# Altium PCB PCB_v5.PcbDoc (part 7 of 7) (continued)
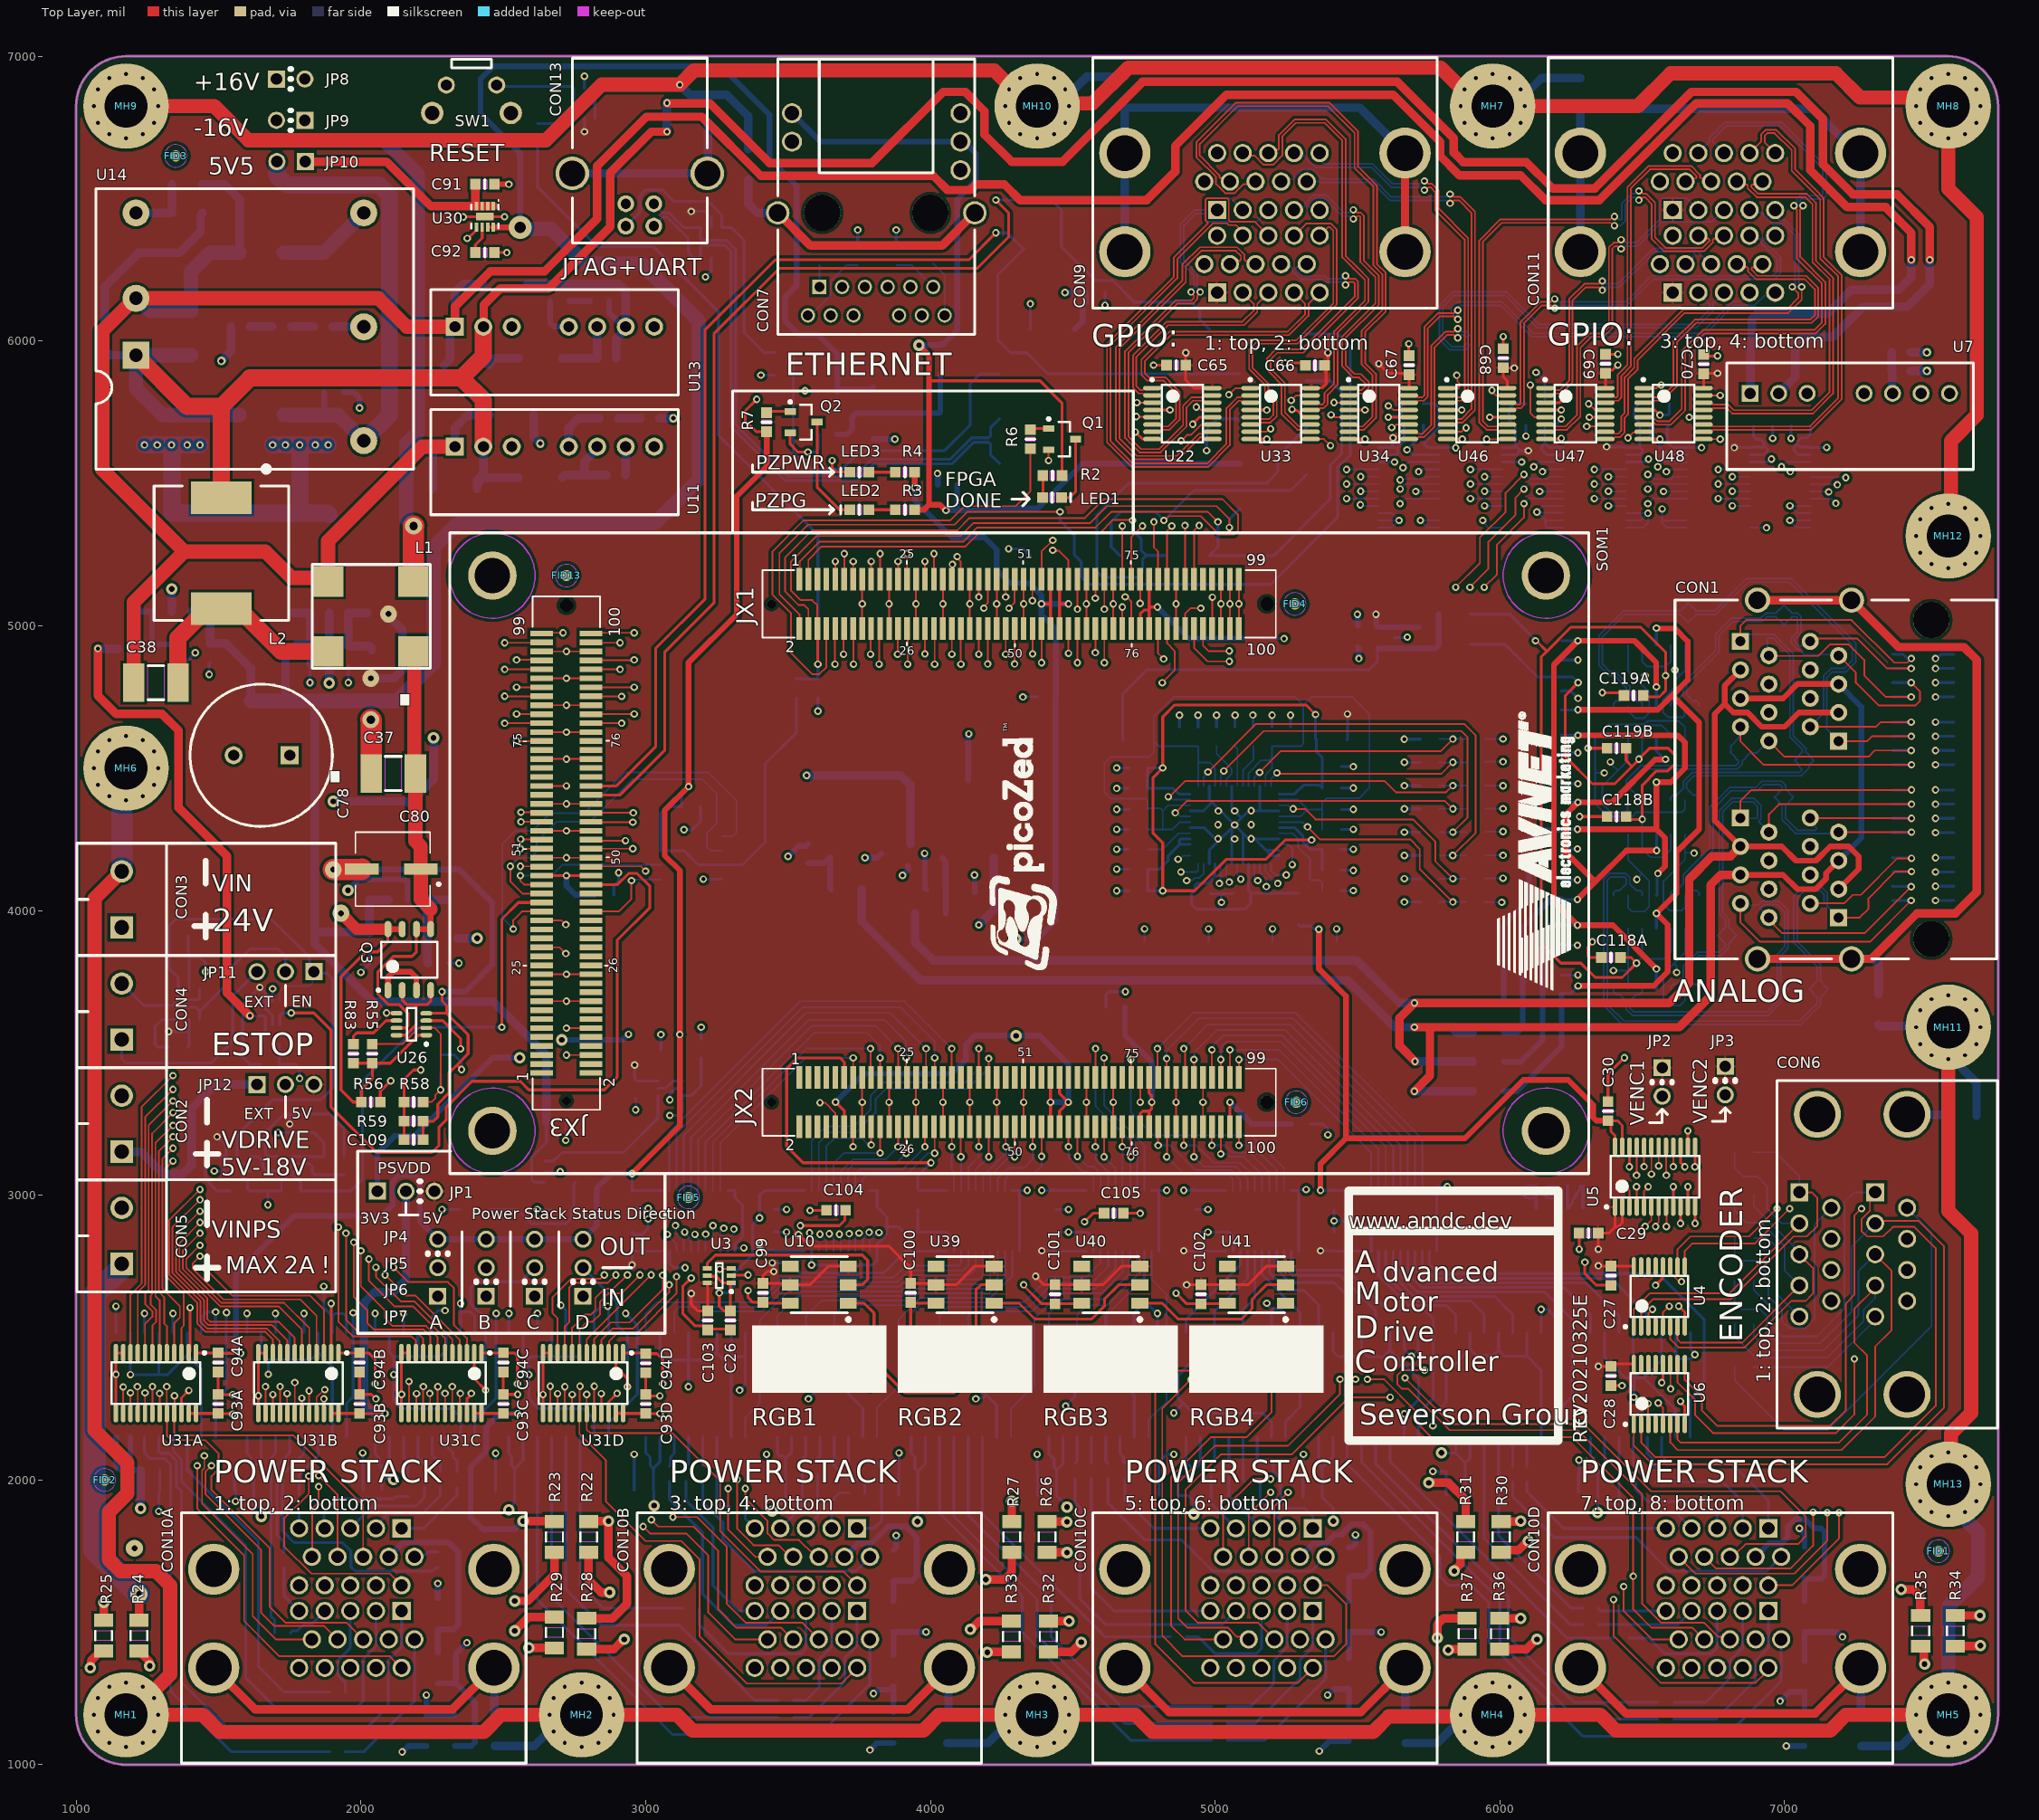
[diagram p0: Top Layer view]
## Nets (pads, with @x,y where several pads share a name; then routed paths per layer and width w, separated by ;. In a path a pad name is that pad's centre, name@x,y a point inside that pad or via, vN(x,y) a via of type N, cw(c..) or ccw(c..) an arc to the next point about the centre after c; other vN are vias at no path point) (continued)
VBUS_DETECT: M1.18 R98.2 R99.2 | length 1321.9
  Bottom Layer w10: R98.2@3518.46,5960 R99.2@3518.46,5880 3518.46,5611.54 3580,5550 3690,5550 3755,5615 4050,5615 4140,5705 4140,5850 4174.29,5884.29 M1.18@4242.99,5884.29
VCCIO_EN: U12.4 U16.3 | length 538.9
  Bottom Layer w10: U16.3@2645.87,3120.24 2676.38,3120.24 2706.14,3150 2922.51,3150 3043.52,3271.01 U12.4@3043.52,3349.82
VCCO: C83.2 C87.2 C89.2 C90.2 R65.2 SOM1.JX1-78 SOM1.JX1-79 SOM1.JX1-80 SOM1.JX2-78 SOM1.JX2-79 SOM1.JX2-80 SOM1.JX2-98 SOM1.JX3-45 SOM1.JX3-46 | length 8524.8
  Top Layer w10: SOM1.JX3-45@2635.12,4122.37 v1(2721.73,4122.37) SOM1.JX3-46@2808.35,4122.37 ; SOM1.JX2-78@4736.93,3240 4736.93,3286.69 4745.36,3295.12 4768.42,3295.12 ; SOM1.JX1-78@4736.93,4990 4736.93,5041.93 4750,5055 4768.42,5055 ; SOM1.JX2-80@4768.42,3240 4768.42,3295.12 ; SOM1.JX1-80@4768.42,4990 4768.42,5055 ; SOM1.JX1-79@4768.43,5163.23 4768.42,5065.81 ; SOM1.JX2-79@4768.43,3413.23 4768.43,3358.11 4777.46,3349.07 v1(4777.46,3326.62) 4777.46,3304.16 4768.42,3295.12 ; v1(4797.45,5065.81) 4768.42,5065.81 ; SOM1.JX2-98@5051.89,3240 v1(5051.89,3326.62) ; 4768.42,5055 4768.42,5065.81
  Int4 (PWR) w20: v1(2285,2950) 2341.16,2950 ; v1(2721.73,4122.37) 2659.36,4060 2419,4060 2199.61,3840.61 2199.61,3550.95 2341.16,3409.4 2341.16,2950 ; v1(4797.45,5065.81) 4660,4928.35 4660,4847.86 4550,4737.86 4550,3700 4777.46,3472.54 v1(4777.46,3326.62) 4777.46,3236.91 4778.42,3235.95 ; v1(5051.89,3326.62) 4961.22,3235.95 4778.42,3235.95 ; 2341.16,2950 2397.32,2950 2683.27,3235.95 4778.42,3235.95
  Bottom Layer w10: v1(2285,2950) 2345.24,2950 R65.2@2345.87,2949.37
  Bottom Layer w20: v1(2721.73,4122.37) 2721.73,4086.26 2752.99,4055 C83.2@2821.54,4055 ; C87.2@4682.98,3660 4682.98,3562.63 4777.46,3468.15 v1(4777.46,3326.62) ; v1(4797.45,5065.81) 4908.26,4955 C89.2@5096.54,4955 ; v1(5051.89,3326.62) 5128.51,3250 C90.2@5266.2,3250
VDDPS: C93A.1 C93B.1 C93C.1 C93D.1 JP1.2 R23.2 R25.2 R27.2 R29.2 R31.2 R33.2 R35.2 R37.2 U31A.23 U31A.24 U31B.23 U31B.24 U31C.23 U31C.24 U31D.23 U31D.24 | length 13960.3
  Top Layer w10: U31A.23@1395.45,2233.7 U31A.24@1421.04,2233.7 C93A.1@1498.77,2233.7 1499.33,2233.14 1547.32,2233.14 v1(1550,2230.46) ; U31B.23@1895.45,2233.7 U31B.24@1921.04,2233.7 C93B.1@1995.3,2233.7 ; C93B.1@1995.86,2233.14 v1(2085,2233.14) ; U31C.23@2397.84,2233.7 U31C.24@2423.43,2233.7 C93C.1@2500.3,2233.7 2500.86,2233.14 v1(2550.63,2233.14) ; U31D.23@2895.45,2233.7 U31D.24@2921.04,2233.7 C93D.1@3000.3,2233.7 3000.86,2233.14 v1(3050.46,2233.14)
  Top Layer w20: C93B.1@1995.3,2233.7 C93B.1@1995.86,2233.14
  Top Layer w30: R25.2@1096.93,1507.49 v2(1096.93,1570) ; v2(2540,1470) 2588.27,1518.27 R29.2@2680,1518.27 ; v2(2569.64,1855.46) 2570.3,1854.8 2679.34,1854.8 R23.2@2680,1854.13 ; v2(4140,1475) 4142.71,1475 4171.84,1504.13 R33.2@4284.06,1504.13 ; R27.2@4285.94,1854.13 v2(4285.94,1925) ; v2(5750,1990) 5820,1990 5880,1930 R31.2@5880,1854.13 ; v2(5780,1445) 5780,1492 5802.13,1514.13 R37.2@5885.14,1514.13 ; v2(7410,1615) 7455,1615 7476.57,1593.43 7476.57,1533.54 7467.17,1524.13 R35.2@7478,1524.13
  Int2 (Sign) w20: v2(1096.93,1570) 1336.93,1810 1560.25,1810 1590.25,1780 2319,1780 2394.46,1855.46 v2(2569.64,1855.46) 2747.09,1678 2918.41,1678 2960,1636.41 2960,1575 ; v2(2540,1470) 2855,1470 2960,1575 ; v2(4140,1475) 4332.5,1475 4550,1692.5 4550,1755 ; v2(5780,1445) 5865,1445 6160,1740 6160,1880 ; v2(7410,1615) 7410,1760 7194,1976 6256,1976 6160,1880 ; 2960,1575 3155,1575 3230,1650 3230,1768 3442,1980 4230.94,1980 v2(4285.94,1925) 4410.94,1800 4505,1800 4550,1755 ; 4550,1755 4711,1916 5566,1916 5640,1990 v2(5750,1990) 6050,1990 6160,1880
  Int4 (PWR) w30: v1(1550,2230.46) 1613.06,2167.4 2019.26,2167.4 v1(2085,2233.14) v1(2550.63,2233.14) v1(3050.46,2233.14)
  Bottom Layer w20: v1(2550.63,2233.14) 2488.4,2233.14 2439.92,2184.66 2439.92,2099.92 2385,2045 2385,1870.46 2428.86,1826.6 2540.78,1826.6 v2(2569.64,1855.46)
  Bottom Layer w30: v1(2085,2233.14) 2045.01,2233.14 2011,2267.15 2011,2621.86 2049.14,2660 2114.38,2660 2158.11,2703.73 JP1.2@2158.11,3014.21
VDRIVE: C72A.1 C72B.1 C72C.1 C72D.1 C72E.1 C72F.1 C73A.1 C73B.1 C73C.1 C73D.1 C73E.1 C73F.1 C75A.1 C75B.1 C75C.1 C75D.1 C75E.1 C75F.1 C76A.1 C76B.1 C76C.1 C76D.1 C76E.1 C76F.1 JP12.2 R93A.2 R93B.2 R93C.2 R93D.2 R94A.2 R94B.2 R94C.2 R94D.2 U23A.15 U23A.16 U23B.15 U23B.16 U23C.15 U23C.16 U23D.15 U23D.16 U23E.15 U23E.16 U23F.15 U23F.16 U25A.15 U25A.16 U25B.15 U25B.16 U25C.15 U25C.16 U25D.15 U25D.16 U25E.15 U25E.16 U25F.15 U25F.16 | length 16712.5
  Int4 (PWR) w20: v2(1226.54,1900) 1316.54,1810 1588,1810 v2(1650,1872) 1703,1925 2038.25,1925 v2(2115,2001.75) 2221.75,1895 2330.24,1895 ; v1(2372.25,1428.5) 2372.25,1551.96 2330.24,1593.96 2330.24,1895 ; v1(3984.69,1465.88) 3925,1525.57 3925,1824.13 v2(3955,1854.13) ; v1(5583,1465.56) 5583,1553.73 5493.28,1643.45 5493.28,1730 5418.28,1805 5418.28,1851.72 v2(5415,1855) 5411.17,1858.83 5411.17,1878.83 5375,1915 ; v1(7203.36,1448.98) 7104.27,1548.08 7104.27,1830 6958.27,1976 6434.46,1976 v2(6343.46,1885) 6133.46,2095 v2(5795,2095) 5555,2095 5375,1915 ; 2330.24,1895 v2(2520,1895) 2765,1895 2780,1910 v2(3030,1910) 3425,1910 v2(3445,1890) 3505,1950 3859.13,1950 v2(3955,1854.13) ; v2(3955,1854.13) 4324.45,1854.13 4375,1904.69 v2(4480,1904.69) 4894.9,1904.69 4919.59,1880 v2(4925,1880) 4925.71,1880 4960.71,1915 5375,1915
  Int3 (Sign) w20: v2(1226.54,1900) 1050,2076.54 1050,3365 1165,3480 1690,3480 1735,3435 JP12.2@1735,3388.8
  Bottom Layer w10: U25F.16@1600,2150 1600,2092.86 1615,2077.86 1615,2053.46 C75F.1@1623.46,2045 ; v2(1650,1872) 1623.46,1898.54 C76F.1@1623.46,1965 C75F.1@1623.46,2045 ; U25F.15@1650,2150 1650,2071.54 C75F.1@1623.46,2045 ; U23E.16@2050,2150 2050,2091.81 2064.36,2077.45 2064.36,2054.11 C72E.1@2073.46,2045 ; C73E.1@2073.46,1965 2073.46,2005 ; U23E.15@2100,2150 2100,2071.54 C72E.1@2073.46,2045 ; v2(2115,2001.75) 2111.75,2005 2073.46,2005 ; U25E.16@2519.64,2150 2519.64,2092.86 2529.31,2083.18 2529.31,2050.56 C75E.1@2539.87,2040 ; v2(2520,1895) 2520,1900.41 2539.87,1920.29 C76E.1@2539.87,1960 C75E.1@2539.87,2040 ; U25E.15@2569.64,2150 2569.64,2069.76 C75E.1@2539.87,2040 ; U23D.16@3000.46,2150 3000.46,2094.99 3016.59,2078.85 3016.59,2050.33 C72D.1@3026.92,2040 ; v2(3030,1910) 3028.46,1911.54 3028.46,1963.46 C73D.1@3026.92,1965 C72D.1@3026.92,2040 ; U23D.15@3050.46,2150 3050.46,2063.54 C72D.1@3026.92,2040 ; v2(3445,1890) 3491.65,1936.65 C76D.1@3491.65,1987.86 C75D.1@3491.65,2045 3491.65,2075.76 ; U25D.16@3464.56,2147.74 U25D.16@3462.31,2150 3462.31,2092.96 3470.66,2084.61 3482.8,2084.61 3491.65,2075.76 ; U25D.15@3512.31,2150 3512.31,2096.42 3491.65,2075.76 ; U23C.16@3932.59,2150 3932.59,2093.61 3945.27,2080.92 3945.27,2040.78 C72C.1@3956.06,2030 ; v2(3955,1854.13) 3955.53,1854.66 3955.53,1944.47 C73C.1@3956.06,1945 C72C.1@3956.06,2030 ; U23C.15@3982.59,2150 3982.59,2056.54 C72C.1@3956.06,2030 ; U25C.16@4415.82,2150 4415.82,2091.67 4434.39,2073.09 4434.39,2044.07 C75C.1@4443.46,2035 ; U25C.15@4465.82,2150 4465.82,2057.35 C75C.1@4443.46,2035 ; v2(4480,1904.69) 4480,1908.46 C76C.1@4443.46,1945 C75C.1@4443.46,2035 ; U23B.16@4897.87,2150 4897.87,2061.73 4925.46,2034.13 ; v2@4923.17,1881.83 v2(4925,1880) 4925,1924.68 4904.65,1945.02 C73B.1@4869.17,1945.02 C72B.1@4869.17,2011.73 4903.06,2011.73 4925.46,2034.13 ; U23B.15@4947.87,2150 4947.87,2056.54 4925.46,2034.13 ; U25B.16@5364.05,2150 5364.05,2054.7 5375.86,2042.89 ; U25B.15@5414.05,2150 5414.05,2081.08 5375.86,2042.89 ; v2(5415,1855) 5415,1900.66 C76B.1@5375.66,1940 C75B.1@5375.66,2001.3 5375.86,2001.5 5375.86,2042.89 ; v2(5795,2095) 5795.81,2094.19 5845,2094.19 ; U23A.16@5845,2150 5845,2094.19 ; C73A.1@5878.46,1945 C72A.1@5878.46,2030 5878.46,2060.16 ; U23A.15@5895,2150 5895,2076.69 5878.46,2060.16 ; U25A.16@6318.18,2150 6318.18,2086.82 6329.99,2075.01 6329.99,2033.47 C75A.1@6343.46,2020 ; v2(6343.46,1885) 6343.46,1958.53 C76A.1@6343.29,1958.7 6343.46,1958.87 C75A.1@6343.46,2020 ; U25A.15@6368.18,2150 6368.18,2044.72 C75A.1@6343.46,2020 ; 2073.46,2005 C72E.1@2073.46,2045 ; 5845,2094.19 5878.46,2060.73 5878.46,2060.16
  Bottom Layer w20: U23F.16@1140,2150 1140,2052.16 1157.16,2035 1190,2035 ; U23F.15@1190,2150 1190,2035 ; C72F.1@1226.54,2035 1190,2035 ; R93A.2@2270,1285.87 2333.54,1285.87 ; R94A.2@2330,1065.87 2388.19,1065.87 2400,1077.68 2400,1219.41 2333.54,1285.87 ; v1(2372.25,1428.5) 2333.54,1389.8 2333.54,1285.87 ; R94B.2@3870,1384.13 R93B.2@3870,1465.87 v1(3984.69,1465.88) ; R94C.2@5470,1374.13 R93C.2@5470,1465.87 5470.15,1465.71 5582.85,1465.71 v1(5583,1465.56) ; R94D.2@7070,1364.13 R93D.2@7070,1465.87 7184.85,1465.87 7201.74,1448.98 v1(7203.36,1448.98)
  Bottom Layer w30: v2(1226.54,1900) C73F.1@1226.54,1955 C72F.1@1226.54,2035
VENCODER1: CON6.7T JP2.2 | length 987.7
  Int4 (PWR) w30: JP2.2@6569.98,3347.63 6672.37,3347.63 6935,3085 7150,3085 7230,3005 7230,2915.98 7163.86,2849.84 CON6.7T@7163.86,2846.65
VENCODER2: CON6.7B JP3.2 | length 1155.2
  Int4 (PWR) w30: JP3.2@6791.76,3352.63 6999.39,3145 7415,3145 7550,3010 7550,2895 7501.65,2846.65 CON6.7B@7430,2846.65
VIN: C78.1 CON3.1 Q3.7 Q3.8 R55.1 R56.1 R83.1 U26.1 | length 2827.9
  Top Layer w10: R83.1@1969.69,3460 R83.1@1973.46,3463.78 R55.1@2040,3463.78 ; Q3.8@2095,3934.53 2094.92,3934.45 2094.92,3890.98 2058.7,3854.77 2017.47,3854.77 1930,3767.29 1930,3370 1972.76,3327.24 R56.1@2001.54,3327.24 2001.54,3371.54 2040,3410 R55.1@2040,3463.78 ; U26.1@2229.72,3562.01 2201.3,3562.01 2103.07,3463.78 R55.1@2040,3463.78
  Top Layer w20: Q3.8@2095,3934.53 Q3.7@2145,3934.53
  Top Layer w40: v3(1930,3990) 1985.47,3934.53 Q3.8@2095,3934.53
  Int4 (PWR) w50: 1750,3940.57 C78.1@1750,4545
  Int4 (PWR) w80: CON3.1@1160,3940.57 1744,3940.57 ; 1750,3940.57 1880.58,3940.57 v3(1930,3990)
VIN2: C35.1 C40.2 C41.1 C46.2 C47.1 C49.2 C95.2 L2.1 R46.2 U7.2 U11.2 U13.2 U14.1 | length 11824.7
  Top Layer w30: U13.2@2430,6050 2431.5,6051.5 2431.5,6126.5 2490,6185 2660,6185 2875,6400 2875,6590 3020,6735 v1(3075,6735) ; v1(3075.16,6836.26) 3076.42,6835 3225,6835 3435,6625 3795,6625 4045,6875 4122.43,6875 4190,6807.43 4190,6725 4285,6630 4465,6630 4745,6910 5640,6910 5838.38,6711.62 5838.38,6661.49 5871.87,6628 6093,6628 6185.62,6535.38 6333.37,6535.38 6672.99,6875 7040,6875 7135,6780 7135,6620 7240,6515 7395,6515 7510,6400 v1(7510,6285)
  Top Layer w60: U14.1@1210,5950 1390,5770 1510,5770 ; L2.1@1510,5449.88 1510,5770 ; U11.2@2430,5629.04 2430,5792.81 2352.8,5870 ; U13.2@2430,6050 2430,5947.19 2352.8,5870 ; 1510,5770 1610,5870 2352.8,5870
  Bottom Layer w30: U14.1@1210,5950 1118.52,5950 1100.94,5967.57 1100.94,6190.94 1220,6310 1363.39,6310 1436.5,6383.11 1436.5,6442.36 R46.2@1444.13,6450 ; C40.2@2407.48,5480 C40.2@2407.48,5497.5 ; U11.2@2430,5629.04 2430,5532.52 2407.48,5510 C40.2@2407.48,5497.5 ; U13.2@2430,6050 2436.31,6043.69 2436.31,5926.17 C46.2@2447.48,5915 2447.48,5917.5 2469.98,5940 C41.1@2552.52,5940 ; C35.1@2552.52,5520 2429.98,5520 C40.2@2407.48,5497.5 ; v1(3075,6735) 3074.84,6735.16 3074.84,6835.94 v1(3075.16,6836.26) ; U7.2@6979.29,5816.26 7037.48,5874.45 C95.2@7037.48,5980 7037.48,5992.5 7059.98,6015 7170,6015 7275,6120 7430,6120 7510,6200 v1(7510,6285)
  Bottom Layer w50: C49.2@1403.39,5950 U14.1@1210,5950 1210,5833.41 1303.41,5740 C47.1@1573.91,5740
VIN_HDR: C104.2 C105.2 C106.2 R4.1 R64.1 SOM1.JX1-57 SOM1.JX1-58 SOM1.JX1-59 SOM1.JX1-60 SOM1.JX2-12 SOM1.JX2-57 SOM1.JX2-58 SOM1.JX2-59 SOM1.JX2-60 | length 7540.7
  Top Layer w10: v1(3577.17,2946.48) 3634.18,2946.48 C104.2@3635.23,2947.53 ; v1(3667.23,3327.29) 3697.56,3296.96 SOM1.JX2-12@3697.56,3240 ; v1(4390,5076.61) 4421.97,5076.61 ; SOM1.JX2-58@4421.97,3240 v1(4421.97,3326.61) SOM1.JX2-57@4421.97,3413.23 ; SOM1.JX1-58@4421.97,4990 4421.97,5076.61 ; SOM1.JX1-57@4421.97,5163.23 4421.97,5076.61 ; SOM1.JX2-60@4453.46,3240 4453.46,3295.71 v1(4484.37,3326.61) 4453.47,3357.52 SOM1.JX2-59@4453.47,3413.23 ; SOM1.JX1-60@4453.46,4990 4453.46,5076.61 ; SOM1.JX1-59@4453.47,5163.23 4453.46,5076.61 ; v1(4485,5076.61) 4453.46,5076.61 ; v1(4541.58,2906.72) 4571.4,2936.54 C105.2@4610.48,2936.54
  Top Layer w20: R4.1@3944.02,5539.43 3945,5538.45 v1(3945,5485)
  Int2 (Sign) w10: v1(3577.17,2946.48) 3577.17,3152.11 3667.23,3242.17 v1(3667.23,3327.29) ; v1(4421.97,3326.61) 4421.97,3108.03 4541.58,2988.42 v1(4541.58,2906.72)
  Int4 (PWR) w20: v2@4300,3560.63 v2(4300,3900)
  Int4 (PWR) w30: v2@2409.89,3903.5 2412.39,3901 4299,3901 v2(4300,3900)
  Bottom Layer w10: R64.1@2340,3902.33 R64.1@2340.33,3902
  Bottom Layer w20: v1(3667.23,3327.29) 3766.12,3426.18 4073.8,3426.18 4124.24,3476.61 4124.24,3529.27 4155.6,3560.63 4384.37,3560.63 4484.37,3460.63 v1(4484.37,3326.61) v1(4421.97,3326.61) ; v1(3945,5485) 3946.15,5483.85 3946.15,5438.85 4075,5310 4190,5310 4232.99,5267.01 4232.99,5195.85 4280.05,5148.8 4348.34,5148.8 4390,5107.14 v1(4390,5076.61) ; v2(4300,3900) 4375,3900 4439.77,3964.77 4439.77,4741.18 4440.96,4742.37 4440.96,4987.26 4390,5038.23 v1(4390,5076.61) ; v1(4485,5076.61) v1(4390,5076.61)
  Bottom Layer w30: R64.1@2340.33,3902 v2(2408,3902)
  other v2: 4300.77,3559.86
VIN_PS: CON5.1 R22.2 R24.2 R26.2 R28.2 R30.2 R32.2 R34.2 R36.2 | length 11657.8
  Top Layer w30: R24.2@1220.3,1507.49 1220.68,1507.88 v3(1220.68,1599.32) ; R28.2@2793,1514.13 2884.13,1514.13 2935,1565 2935,1661.41 2869.86,1726.55 v2(2869.86,1855.46) 2801.32,1855.46 R22.2@2800,1854.13 ; R26.2@4410,1854.13 4410.66,1853.48 4478.91,1853.48 v2(4479.57,1852.82) ; R32.2@4414.06,1504.13 v2(4487.5,1504.13) ; R36.2@5998.52,1514.13 v2(6073.43,1514.13) ; R30.2@6004.67,1854.13 6072.56,1854.13 v2(6073.43,1855) ; R34.2@7600,1524.13 v2(7686.43,1524.13)
  Int4 (PWR) w20: CON5.1@1156.58,2750 CON5.1@1160,2746.57 ; 4402.45,1419.09 v2(4487.5,1504.13)
  Int4 (PWR) w50: 2450,1125 2735.94,1410.94 2819.47,1410.94 3095.41,1135 ; 2735.94,1721.54 v2(2869.86,1855.46) ; 4070.91,1135 4355,1419.09 ; 4402.45,1419.09 4355,1419.09 ; 4410.91,1419.09 4695,1135 ; v2(4479.57,1852.82) 4355,1728.25 4355,1419.09 ; 5653.82,1135 5888.82,1370 ; v2(6073.43,1514.13) 5974.13,1514.13 ; v2(6073.43,1855) 5974.13,1755.71 5974.13,1514.13 ; 6299.43,1135 6064.43,1370 5888.82,1370 ; 7270,1135 7410,1275 7410,1385.45 7548.69,1524.13 v2(7686.43,1524.13) ; 5888.82,1370 5888.82,1428.82 5974.13,1514.13
  Int4 (PWR) w80: v3(1220.68,1599.32) 1305,1515 1535,1515 1660,1390 1660,1260 1795,1125 2450,1125 ; 2735.94,1410.94 2735.94,1721.54 ; 3095.41,1135 4070.91,1135 ; 4695,1135 5653.82,1135 ; 6299.43,1135 7270,1135
  Bottom Layer w80: CON5.1@1160,2746.57 1065,2651.57 1065,1755 v3(1220.68,1599.32)
VREF: C6.1 C7.1 C11.1 C12.1 C16.1 C17.1 C20.1 C21.1 R82.2 U1.1 U1.4 U1.10 U1.13 U1.16 U1.19 U1.47 U1.50 | length 3624.7
  Bottom Layer w6: C16.1@4763.46,4285 4815.97,4285 ; U1.47@4912.01,4310.31 4876.03,4310.31 4850.72,4285 4815.97,4285 ; U1.50@4912.01,4369.37 4835.66,4369.37 4815.97,4349.69 ; U1.1@4940.55,4437.28 4940.55,4520.24 ; U1.4@4999.61,4437.28 4999.61,4499.78 4979.14,4520.24 4940.55,4520.24 ; U1.10@5117.72,4437.28 5117.72,4482.73 5162.94,4527.96 5190,4527.96 ; U1.13@5176.77,4437.28 5176.77,4476.62 5199.94,4499.78 5199.94,4518.02 5190,4527.96 ; U1.19@5225,4330 5225.07,4330.07 5300,4330.07 5324.93,4355 ; U1.16@5225,4389.06 5290.88,4389.06 5324.93,4355 ; C21.1@5376.54,4285 C20.1@5376.54,4355 ; R82.2@4784.13,4596.17 R82.2@4784.13,4600 4784.13,4680.51 4853.63,4750 5281.4,4750 5310,4721.4 ; R82.2@4784.13,4596.17 4784.13,4555.09 4767.99,4538.94 4633.38,4538.94 4610.95,4516.51 4610.95,4416.34 4634.75,4392.54 4755.99,4392.54 4761.87,4386.66 4761.87,4356.6 C12.1@4763.46,4355 4767.99,4359.53 4806.13,4359.53 4815.97,4349.69 ; R82.2@4784.13,4596.17 4803.77,4576.54 C17.1@4875,4576.54 C11.1@4940,4576.54 4940.55,4575.98 4940.55,4520.24 ; 4815.97,4285 4815.97,4349.69 ; 5190,4527.96 5200,4537.96 C7.1@5200,4576.54 C6.1@5265,4576.54 5300,4576.54 5310,4586.54 5310,4721.4 ; 5310,4721.4 5338.48,4749.88 5481.5,4749.88 5542.2,4689.17 5542.2,4431.18 5505,4393.98 5390.6,4393.98 5375.81,4379.19 5375.81,4355.72 C20.1@5376.54,4355 ; 5324.93,4355 C20.1@5376.54,4355
VREFA: C118A.1 C119A.1 R77.2 U28A.3 U28A.5 U29A.3 U29A.5 | length 3137
  Top Layer w10: v1(6125,4947.11) 6127.89,4947.11 6165,4910 ; C118A.1@6423.46,3835 6460,3835 v1(6480,3815) 6430,3765 6335,3765 6285,3815 6215,3815 6145,3885 6145,4890 6165,4910 ; C119A.1@6503.46,4755 6508.46,4750 6560,4750 6582.09,4772.09 v1(6582.09,4825) 6582.09,4907.55 6494.64,4995 6250,4995 6165,4910
  Bottom Layer w6: v1(6480,3815) 6508.34,3843.34 6513.34,3843.34 ; U29A.3@6500,3937.28 6500,3856.69 6513.34,3843.34 ; U28A.3@6500,4932.28 6500,4873.37 6516.28,4857.09 6582.09,4857.09 ; v1(6582.09,4825) 6582.09,4857.09 ; U29A.5@6600,3937.28 6601.1,3936.18 6601.1,3855.22 6575.89,3830 6526.69,3830 6513.34,3843.34 ; U28A.5@6600,4932.28 6600,4875 6582.09,4857.09
  Bottom Layer w10: R77.2@5894.13,5040 6035,5040 6125,4950 v1(6125,4947.11)
VREFB: C118B.1 C119B.1 R57.2 U28B.3 U28B.5 U29B.3 U29B.5 | length 2150.2
  Top Layer w10: v1(6275,4800) 6230,4755 6230,4540 6325,4445 6404.14,4445 6464.57,4505.43 ; C118B.1@6443.46,4330 6453.46,4320 v1(6500,4320) 6500,4440 6550,4490 6590,4490 6615,4515 6615,4546.49 6591.49,4570 6526.56,4570 v1(6488.19,4531.63) 6488.19,4529.05 6464.57,4505.43 ; C119B.1@6443.46,4570 6443.46,4526.54 6464.57,4505.43
  Bottom Layer w6: v1(6488.19,4531.63) 6488.19,4535.96 6500,4547.77 U28B.3@6500,4602.28 6500,4620.11 6529.52,4649.63 6568.42,4649.63 6600,4618.05 U28B.5@6600,4602.28 ; v1(6500,4320) U29B.3@6500,4267.28 6500,4215.28 6528.67,4186.61 6573,4186.61 6600,4213.61 U29B.5@6600,4267.28
  Bottom Layer w10: R57.2@5894.13,4935 6017.72,4935 6132.72,4820 6255,4820 v1(6275,4800)
pads on no net: CON1. CON7.15 CON7.20 CON7.21 FID1.1 FID2.1 FID3.1 FID4.1 FID5.1 FID6.1 FID7.1 FID8.1 FID9.1 FID10.1 FID11.1 FID12.1 FID13.1 M1.3 M1.4 SOM1.0 SOM1.JX1-5 SOM1.JX1-7 SOM1.JX1-91 SOM1.JX1-93 SOM1.JX2-1 SOM1.JX2-2 SOM1.JX2-3 SOM1.JX2-4 SOM1.JX2-5 SOM1.JX2-6 SOM1.JX2-7 SOM1.JX2-8 SOM1.JX2-9 SOM1.JX2-37 SOM1.JX2-47 SOM1.JX2-49 SOM1.JX2-53 SOM1.JX2-55 SOM1.JX2-61 SOM1.JX2-63 SOM1.JX2-73 SOM1.JX3-1 SOM1.JX3-2 SOM1.JX3-3 SOM1.JX3-4 SOM1.JX3-5 SOM1.JX3-7 SOM1.JX3-8 SOM1.JX3-9 SOM1.JX3-10 SOM1.JX3-11 SOM1.JX3-13 SOM1.JX3-14 SOM1.JX3-15 SOM1.JX3-16 SOM1.JX3-19 SOM1.JX3-20 SOM1.JX3-21 SOM1.JX3-22 SOM1.JX3-25 SOM1.JX3-26 SOM1.JX3-27 SOM1.JX3-28 SOM1.JX3-30 SOM1.JX3-31 SOM1.JX3-32 SOM1.JX3-33 SOM1.JX3-34 SOM1.JX3-36 SOM1.JX3-40 SOM1.JX3-42 SOM1.JX3-63 SOM1.JX3-67 SOM1.JX3-68 SOM1.JX3-69 SOM1.JX3-70 SOM1.JX3-73 SOM1.JX3-74 SOM1.JX3-76 U1.42 U4.4 U4.13 U4.14 U4.15 U6.4 U6.13 U6.14 U6.15 U7.3 U7.5 U7.8 U10.4 U11.3 U11.8 U13.3 U13.8 U16.4 U28A.1 U28A.7 U28B.1 U28B.7 U29A.1 U29A.7 U29B.1 U29B.7 U39.4 U40.4 U41.1 U41.4 U45.1

## Polygon pours and split planes (outlines as drawn)
5V on Int3 (Sign) "5V_L04_P005" (solid, remove dead copper, pour order 5): 1000,7000 1000,1000 7750,1000 7750,7000
GND on Int4 (PWR) "GND_L05_P004" (solid, remove dead copper, pour order 4): 1000,7000 1000,1000 7750,1000 7750,7000
5V on Top Layer "5V_L01_P002" (solid, remove dead copper, pour order 2): 1000,1000 7750,1000 7750,7000 1000,7000
GND on Int1 (GND) "GND_L02_P000" (solid, remove dead copper, pour order 0): 1000,1000 7750,1000 7750,7000 1000,7000

## Keep-outs
Keep-Out Layer:
  the board outline again, w10

## Other copper
Bottom Layer:
  text "NPP" at 6309.69,2919.88 h150

## Silkscreen, mask and mechanical layers (free items; w line width, h text height)
Top Overlay:
  rectangle: 4909,2306.59 5381.44,2542.81
  rectangle: 4397.19,2306.59 4869.63,2542.81
  rectangle: 3885.38,2306.59 4357.82,2542.81
  rectangle: 3373.56,2306.59 3846,2542.81
  lines w10: 1317.48,2660.15 1911.33,2660.15 1911.33,4235.85 1317.48,4235.85 ; 1317.48,3054.15 1911.33,3054.15 ; 1317.48,3448.15 1911.33,3448.15 ; 1317.48,3841.85 1911.33,3841.85 ; 1735,3272.95 1735,3345.94 ; 1735,3664.93 1735,3737.93 ; 2135,2930 2200,2930 ; 2158.11,2930 2158.11,2972.5 ; 2315,3155 1988.74,3155 1988.74,2515 3067.98,2515 3067.98,3076.11 ; 2355,2610 2355,2871.37 ; 2525.04,2610 2525.04,2871.37 ; 2695.08,2610 2695.08,2871.37 ; 2850,2745.31 2950.57,2745.31 ; 3305,5326.11 3305,5825 4712.52,5825 4712.52,5326.11 ; 3375.55,5432.5 3375.55,5407.5 3660.55,5407.5 ; 3375.55,5564.43 3375.55,5539.43 3660.55,5539.43 ; 3645.55,5392.5 3660.55,5407.5 ; 3645.55,5422.5 3660.55,5407.5 ; 3645.55,5524.43 3660.55,5539.43 ; 3645.55,5554.43 3660.55,5539.43 ; 4285.51,5445.19 4348.16,5445.19 ; 4324.41,5421.44 4348.16,5445.19 ; 4324.41,5468.95 4348.16,5445.19 ; 6525,3255 6569.98,3255 6569.98,3302.2 ; 6552.02,3284.25 6569.98,3302.2 ; 6587.93,3284.25 6569.98,3302.2 ; 6746.79,3260 6791.76,3260 6791.76,3307.2 ; 6773.81,3289.25 6791.76,3307.2 ; 6809.72,3289.25 6791.76,3307.2
  lines w20: 1415,3945 1495,3945 ; 1420,2745 1500,2745 ; 1420,3145 1500,3145 ; 1455,3905 1455,3985 ; 1455,4095 1455,4175 ; 1460,2705 1460,2785 ; 1460,2895 1460,2975 ; 1460,3105 1460,3185 ; 1460,3255 1460,3335 ; 1750.94,6740 1755.94,6740 ; 1750.94,6775 1755.94,6775 ; 1750.94,6810 1755.94,6810 ; 1750.94,6884.88 1755.94,6884.88 ; 1750.94,6919.88 1755.94,6919.88 ; 1750.94,6954.88 1755.94,6954.88 ; 2205,2979.21 2210,2979.21 ; 2205,3014.21 2210,3014.21 ; 2205,3049.21 2210,3049.21 ; 2234.89,2792.2 2234.89,2797.2 ; 2269.89,2792.2 2269.89,2797.2 ; 2304.89,2792.2 2304.89,2797.2 ; 2404.92,2693.42 2404.92,2698.42 ; 2439.92,2693.42 2439.92,2698.42 ; 2474.92,2693.42 2474.92,2698.42 ; 2574.96,2693.42 2574.96,2698.42 ; 2609.96,2693.42 2609.96,2698.42 ; 2644.96,2693.42 2644.96,2698.42 ; 2745,2693.42 2745,2698.42 ; 2780,2693.42 2780,2698.42 ; 2815,2693.42 2815,2698.42 ; 6534.98,3394.52 6534.98,3399.52 ; 6569.98,3394.52 6569.98,3399.52 ; 6604.98,3394.52 6604.98,3399.52 ; 6756.76,3399.52 6756.76,3404.52 ; 6791.76,3399.52 6791.76,3404.52 ; 6826.76,3399.52 6826.76,3404.52
  lines w30: 5469.3,2873.73 6205.47,2873.73 ; 5469.3,2138.88 6205.47,2138.88 6205.47,3015 5469.3,3015 5469.3,2138.88
  text "+16V" at 1414.06,6880 h60
  text "-16V" at 1414.06,6720 h60
  text "RESET" at 2240,6630.55 h60
  text "5V5" at 1465,6585 h60
  text "JTAG+UART" at 2707.73,6230 h60
  text "GPIO:" at 6167.23,5984.02 h80
  text "GPIO:" at 4567.23,5979.02 h80
  text "3: top, 4: bottom" at 6562.23,5974.02 h50
  text "1: top, 2: bottom" at 4962.23,5969.02 h50
  text "ETHERNET" at 3490.73,5880 h80
  text "PZPWR" at 3387.76,5549.43 h50
  text "PZPG" at 3383.82,5415.93 h50
  text "FPGA / DONE" at 4052.05,5415.13 h50
  text "VIN" at 1476.57,4066.41 h60
  text "24V" at 1478.15,3926.39 h80
  text "ANALOG" at 6608.98,3677.82 h80
  text "EN" at 1756.21,3660 h40
  text "EXT" at 1590,3659.35 h40
  text "ESTOP" at 1475,3490 h80
  text "5V" at 1756.21,3268.02 h40
  text "EXT" at 1590,3267.37 h40
  text "VENC2" at 6728.4,3250 h50 r90
  text "VENC1" at 6506.61,3245 h50 r90
  text "VDRIVE" at 1510,3165 h60
  text "PSVDD" at 2058.11,3076.11 h40
  text "5V-18V" at 1509.07,3070 h60
  text "Power Stack Status Direction" at 2390,2915 h40
  text "3V3" at 1997.12,2900 h40
  text "5V" at 2215.59,2900 h40
  text "www.amdc.dev" at 5469.3,2883.5 h55
  text "VINPS" at 1475,2850 h60
  text "OUT" at 2839.73,2790 h60
  text "A" at 5490.47,2727.05 h80
  text "MAX" at 1525,2725 h60
  text "2A" at 1730,2725 h60
  text "!" at 1860,2725 h60
  text "M" at 5490.47,2617.05 h80
  text "IN" at 2844.27,2610 h60
  text "A" at 2241.22,2530 h50
  text "B" at 2411.26,2530 h50
  text "C" at 2581.3,2530 h50
  text "D" at 2751.34,2530 h50
  text "D" at 5490.47,2497.05 h80
  text "ENCODER" at 6851.35,2482.37 h80 r90
  text "dvanced / otor / rive / ontroller" at 5588.3,2380.76 h70
  text "C" at 5490.47,2377.05 h80
  text "1: top, 2: bottom" at 6950,2340 h50 r90
  text "RGB1" at 3373.56,2190 h60
  text "RGB2" at 3885.38,2190 h60
  text "RGB3" at 4397.19,2190 h60
  text "RGB4" at 4909,2190 h60
  text "Severson Group" at 5507.24,2169.62 h125
  text "REV20210325E" at 6306.37,2128.71 h50 r90
  text "POWER STACK" at 1483,1990 h80
  text "POWER STACK" at 3083,1990 h80
  text "POWER STACK" at 4683,1990 h80
  text "POWER STACK" at 6283,1990 h80
  text "1: top, 2: bottom" at 1483,1893.35 h50
  text "3: top, 4: bottom" at 3083,1893.35 h50
  text "5: top, 6: bottom" at 4683,1893.35 h50
  text "7: top, 8: bottom" at 6283,1893.35 h50
Bottom Overlay:
  lines w10: 5315,5175 5364.75,5224.75 5364.75,5420 ; 5335,5390.75 5363.79,5419.54 ; 5364.27,5419.3 5393.07,5390.51 ; 5406.5,5450 5430,5450 5430,6105 5406.5,6105
  text "RXD" at 4555,6465 h40
  text "UART" at 4595,6380 h40
  text "TXD" at 4555,6295 h40
  text "TMS" at 5323,5375 h40
  text "TCK" at 5323,5310 h40
  text "TDO" at 5323,5240 h40
  text "TDI" at 5311.02,5170 h40
  text "JTAG" at 5390,5170 h50 r270

## Text inside footprints (layer, text, board x,y; h text height)
SOM1: Top Overlay "TM" at 4271.23,4627.11 h15 r90; Top Overlay "JX1" at 3378.73,5003.11 h60 r90; Top Overlay "JX2" at 3374.73,3246.11 h60 r90; Top Overlay "50" at 4270.32,3137.6 h30; Top Overlay "76" at 4680.32,3137.6 h30; Top Overlay "75" at 4680.32,3482.6 h30; Top Overlay "51" at 4305.32,3487.6 h30; Top Overlay "26" at 3890.32,3147.6 h30; Top Overlay "25" at 3890.32,3487.6 h30; Top Overlay "1" at 3509.73,3459.63 h40; Top Overlay "2" at 3490.73,3156.63 h40; Top Overlay "99" at 5110.32,3462.6 h40; Top Overlay "100" at 5110.32,3147.6 h40; Top Overlay "100" at 5110.32,4897.6 h40; Top Overlay "99" at 5110.32,5212.6 h40; Top Overlay "2" at 3490.73,4906.63 h40; Top Overlay "1" at 3509.73,5209.63 h40; Top Overlay "25" at 3890.32,5237.6 h30; Top Overlay "26" at 3890.32,4897.6 h30; Top Overlay "51" at 4305.32,5237.6 h30; Top Overlay "75" at 4680.32,5232.6 h30; Top Overlay "76" at 4680.32,4887.6 h30; Top Overlay "50" at 4270.32,4887.6 h30; Top Overlay "50" at 2910.74,4159.7 h30 r90; Top Overlay "76" at 2910.74,4569.7 h30 r90; Top Overlay "75" at 2565.74,4569.7 h30 r90; Top Overlay "51" at 2560.74,4187.7 h30 r90; Top Overlay "26" at 2900.74,3779.7 h30 r90; Top Overlay "25" at 2560.74,3772.7 h30 r90; Top Overlay "1" at 2588.72,3399.11 h40 r90; Top Overlay "2" at 2891.72,3380.11 h40 r90; Top Overlay "99" at 2575.23,4964.11 h40 r90; Top Overlay "100" at 2910.23,4961.11 h40 r90; Top Overlay "JX3" at 2795.23,3268.11 h60 r180